# EAGLE board working (EAGLE 9.6.2), part 9 of 28
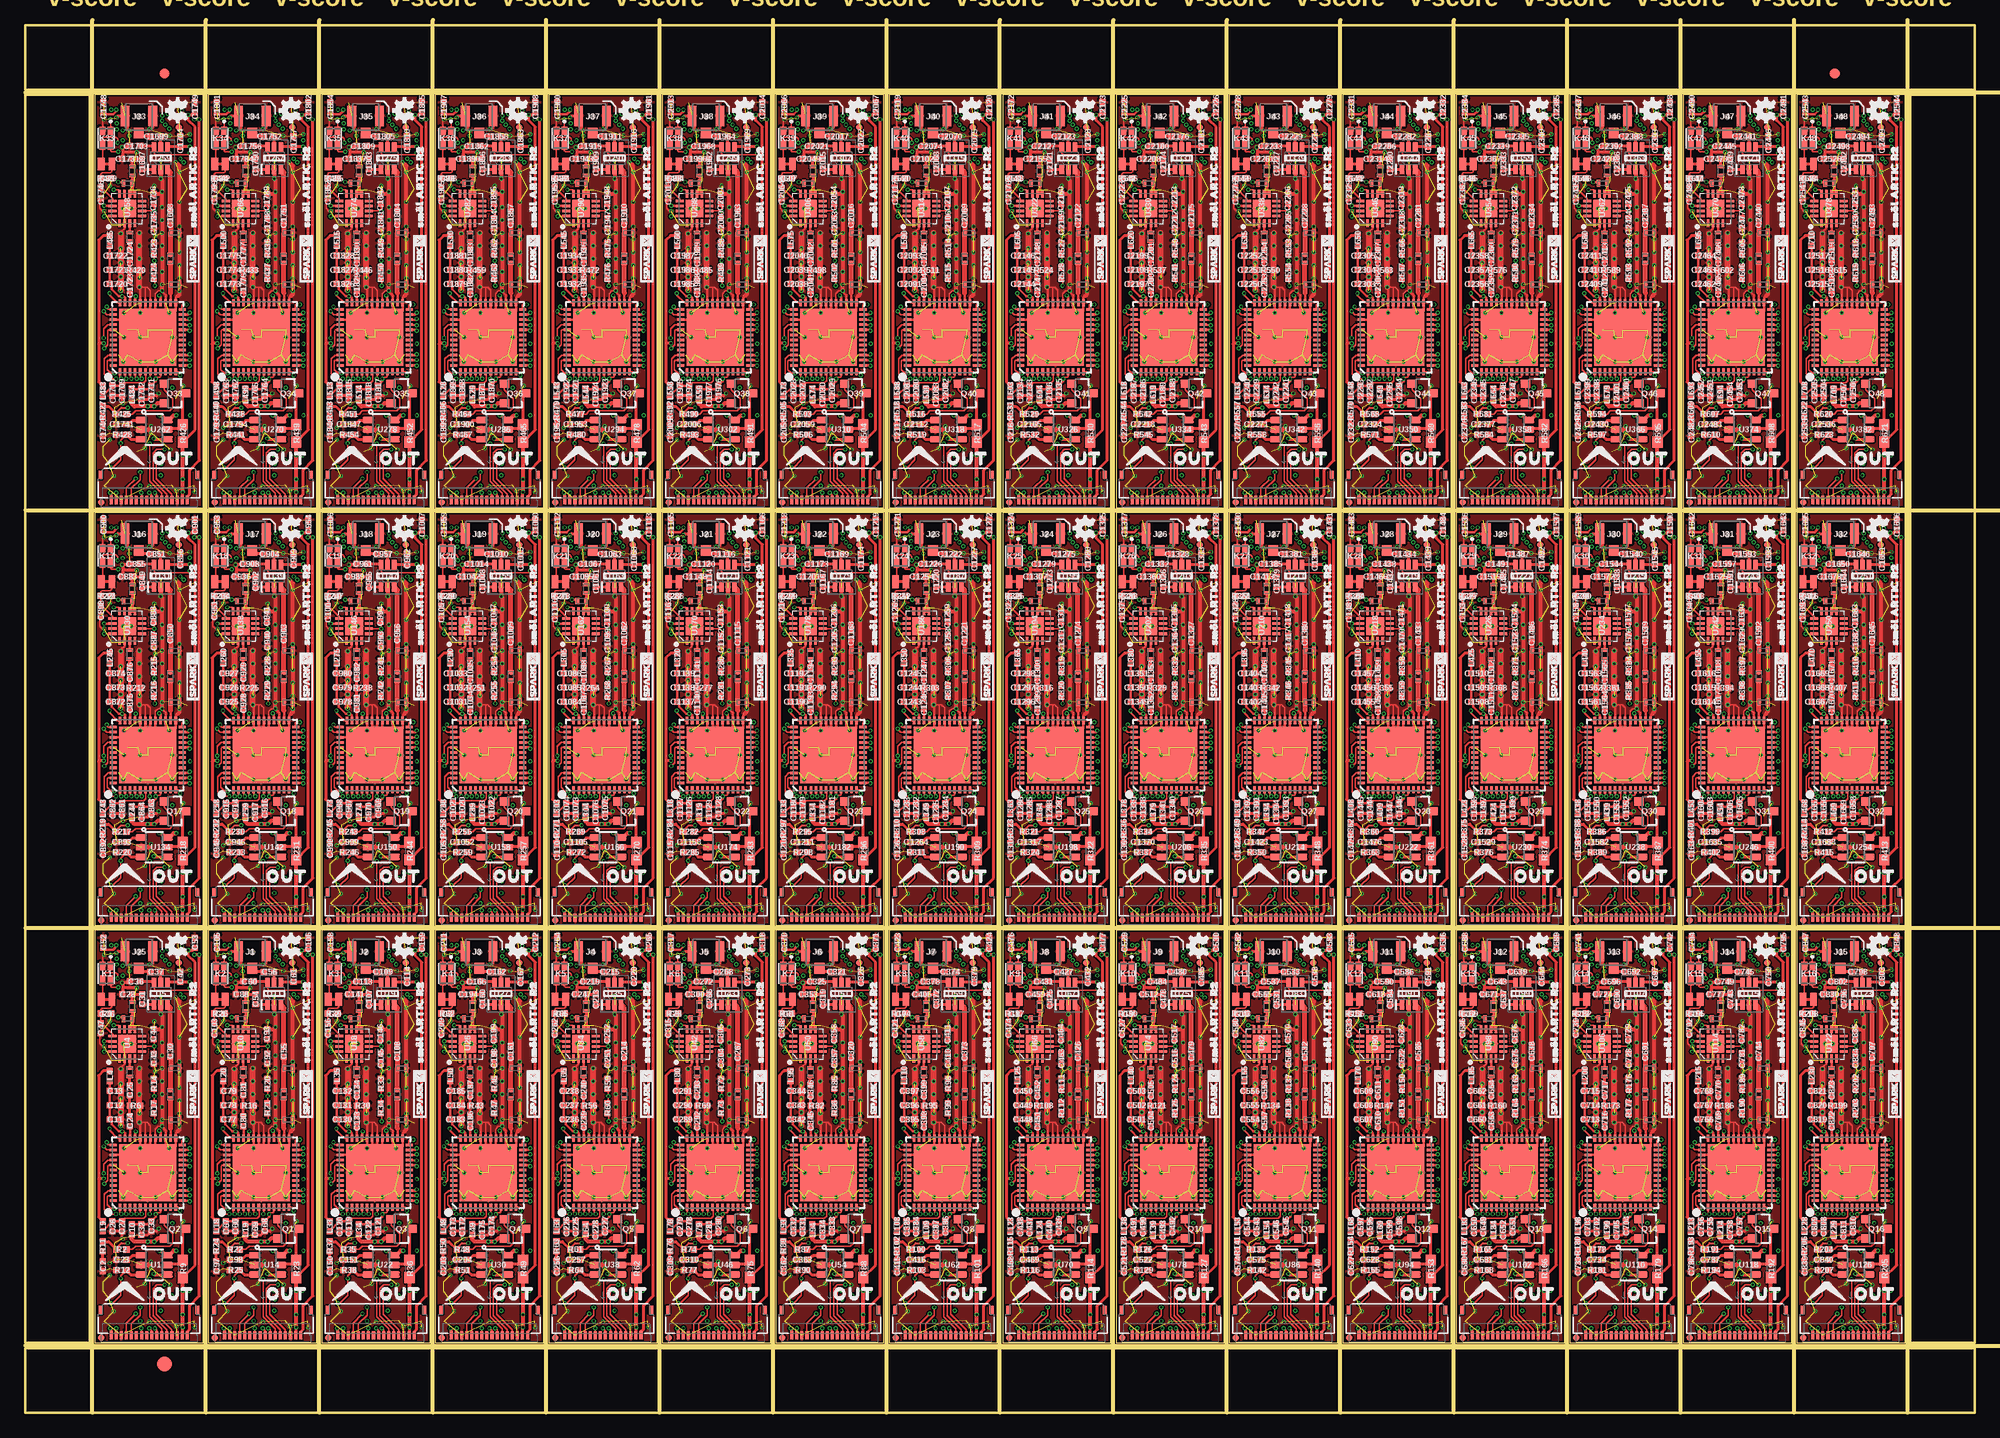
[diagram p0: board, top side]
## Nets (continued)
N$559: C1051.1 R258.2
N$560: C1052.1 U158.1
N$561: C1061.1 U163.1
N$562: C1062.1 U163.3
N$563: C1063.2 U163.5
N$564: C1069.1 C1070.1 L301.1 U161.24
N$565: C1071.1 C1072.1 L302.1 U161.23
N$566: C1073.1 C1074.1 L303.1 U161.6
N$567: C1075.1 C1076.1 L304.1 R261.1 R262.2 U161.9
N$568: C1084.1 C1085.1 C1086.1 L305.1 U161.28 U161.33 U161.35
N$569: C1077.1 C1078.1 L306.1 U161.36
N$570: R263.1 U161.41
N$571: C1079.1 C1080.1 L307.1 U161.40
N$572: C1081.1 C1082.1 U161.37 X21.4
N$573: C1083.1 X21.3
N$574: C1083.2 U161.38
N$575: C1087.1 U161.34
N$576: C1087.2 C1088.1 R264.2
N$577: L309.P$2 U162.14
N$578: C1092.1 C1093.1 L309.P$1 R266.1
N$579: C1088.2 L308.P$1
N$580: L308.P$2 U162.3
N$581: L310.P$2 L311.P$1 U162.9 U162.10
N$582: C1094.P$1 L312.P$2 U161.26
N$583: C1101.1 C1102.1 L314.1 U161.20
N$584: Q21.3 R270.1 U166.5
N$585: Q21.1 R269.1
N$586: R269.2 R271.1 U166.4
N$587: C1104.1 R271.2
N$588: C1105.1 U166.1
N$589: C1114.1 U171.1
N$590: C1115.1 U171.3
N$591: C1116.2 U171.5
N$592: C1122.1 C1123.1 L316.1 U169.24
N$593: C1124.1 C1125.1 L317.1 U169.23
N$594: C1126.1 C1127.1 L318.1 U169.6
N$595: C1128.1 C1129.1 L319.1 R274.1 R275.2 U169.9
N$596: C1137.1 C1138.1 C1139.1 L320.1 U169.28 U169.33 U169.35
N$597: C1130.1 C1131.1 L321.1 U169.36
N$598: R276.1 U169.41
N$599: C1132.1 C1133.1 L322.1 U169.40
N$600: C1134.1 C1135.1 U169.37 X22.4
N$601: C1136.1 X22.3
N$602: C1136.2 U169.38
N$603: C1140.1 U169.34
N$604: C1140.2 C1141.1 R277.2
N$605: L324.P$2 U170.14
N$606: C1145.1 C1146.1 L324.P$1 R279.1
N$607: C1141.2 L323.P$1
N$608: L323.P$2 U170.3
N$609: L325.P$2 L326.P$1 U170.9 U170.10
N$610: C1147.P$1 L327.P$2 U169.26
N$611: C1154.1 C1155.1 L329.1 U169.20
N$612: Q22.3 R283.1 U174.5
N$613: Q22.1 R282.1
N$614: R282.2 R284.1 U174.4
N$615: C1157.1 R284.2
N$616: C1158.1 U174.1
N$617: C1167.1 U179.1
N$618: C1168.1 U179.3
N$619: C1169.2 U179.5
N$620: C1175.1 C1176.1 L331.1 U177.24
N$621: C1177.1 C1178.1 L332.1 U177.23
N$622: C1179.1 C1180.1 L333.1 U177.6
N$623: C1181.1 C1182.1 L334.1 R287.1 R288.2 U177.9
N$624: C1190.1 C1191.1 C1192.1 L335.1 U177.28 U177.33 U177.35
N$625: C1183.1 C1184.1 L336.1 U177.36
N$626: R289.1 U177.41
N$627: C1185.1 C1186.1 L337.1 U177.40
N$628: C1187.1 C1188.1 U177.37 X23.4
N$629: C1189.1 X23.3
N$630: C1189.2 U177.38
N$631: C1193.1 U177.34
N$632: C1193.2 C1194.1 R290.2
N$633: L339.P$2 U178.14
N$634: C1198.1 C1199.1 L339.P$1 R292.1
N$635: C1194.2 L338.P$1
N$636: L338.P$2 U178.3
N$637: L340.P$2 L341.P$1 U178.9 U178.10
N$638: C1200.P$1 L342.P$2 U177.26
N$639: C1207.1 C1208.1 L344.1 U177.20
N$640: Q23.3 R296.1 U182.5
N$641: Q23.1 R295.1
N$642: R295.2 R297.1 U182.4
N$643: C1210.1 R297.2
N$644: C1211.1 U182.1
N$645: C1220.1 U187.1
N$646: C1221.1 U187.3
N$647: C1222.2 U187.5
N$648: C1228.1 C1229.1 L346.1 U185.24
N$649: C1230.1 C1231.1 L347.1 U185.23
N$650: C1232.1 C1233.1 L348.1 U185.6
N$651: C1234.1 C1235.1 L349.1 R300.1 R301.2 U185.9
N$652: C1243.1 C1244.1 C1245.1 L350.1 U185.28 U185.33 U185.35
N$653: C1236.1 C1237.1 L351.1 U185.36
N$654: R302.1 U185.41
N$655: C1238.1 C1239.1 L352.1 U185.40
N$656: C1240.1 C1241.1 U185.37 X24.4
N$657: C1242.1 X24.3
N$658: C1242.2 U185.38
N$659: C1246.1 U185.34
N$660: C1246.2 C1247.1 R303.2
N$661: L354.P$2 U186.14
N$662: C1251.1 C1252.1 L354.P$1 R305.1
N$663: C1247.2 L353.P$1
N$664: L353.P$2 U186.3
N$665: L355.P$2 L356.P$1 U186.9 U186.10
N$666: C1253.P$1 L357.P$2 U185.26
N$667: C1260.1 C1261.1 L359.1 U185.20
N$668: Q24.3 R309.1 U190.5
N$669: Q24.1 R308.1
N$670: R308.2 R310.1 U190.4
N$671: C1263.1 R310.2
N$672: C1264.1 U190.1
N$673: C1273.1 U195.1
N$674: C1274.1 U195.3
N$675: C1275.2 U195.5
N$676: C1281.1 C1282.1 L361.1 U193.24
N$677: C1283.1 C1284.1 L362.1 U193.23
N$678: C1285.1 C1286.1 L363.1 U193.6
N$679: C1287.1 C1288.1 L364.1 R313.1 R314.2 U193.9
N$680: C1296.1 C1297.1 C1298.1 L365.1 U193.28 U193.33 U193.35
N$681: C1289.1 C1290.1 L366.1 U193.36
N$682: R315.1 U193.41
N$683: C1291.1 C1292.1 L367.1 U193.40
N$684: C1293.1 C1294.1 U193.37 X25.4
N$685: C1295.1 X25.3
N$686: C1295.2 U193.38
N$687: C1299.1 U193.34
N$688: C1299.2 C1300.1 R316.2
N$689: L369.P$2 U194.14
N$690: C1304.1 C1305.1 L369.P$1 R318.1
N$691: C1300.2 L368.P$1
N$692: L368.P$2 U194.3
N$693: L370.P$2 L371.P$1 U194.9 U194.10
N$694: C1306.P$1 L372.P$2 U193.26
N$695: C1313.1 C1314.1 L374.1 U193.20
N$696: Q25.3 R322.1 U198.5
N$697: Q25.1 R321.1
N$698: R321.2 R323.1 U198.4
N$699: C1316.1 R323.2
N$700: C1317.1 U198.1
N$701: C1326.1 U203.1
N$702: C1327.1 U203.3
N$703: C1328.2 U203.5
N$704: C1334.1 C1335.1 L376.1 U201.24
N$705: C1336.1 C1337.1 L377.1 U201.23
N$706: C1338.1 C1339.1 L378.1 U201.6
N$707: C1340.1 C1341.1 L379.1 R326.1 R327.2 U201.9
N$708: C1349.1 C1350.1 C1351.1 L380.1 U201.28 U201.33 U201.35
N$709: C1342.1 C1343.1 L381.1 U201.36
N$710: R328.1 U201.41
N$711: C1344.1 C1345.1 L382.1 U201.40
N$712: C1346.1 C1347.1 U201.37 X26.4
N$713: C1348.1 X26.3
N$714: C1348.2 U201.38
N$715: C1352.1 U201.34
N$716: C1352.2 C1353.1 R329.2
N$717: L384.P$2 U202.14
N$718: C1357.1 C1358.1 L384.P$1 R331.1
N$719: C1353.2 L383.P$1
N$720: L383.P$2 U202.3
N$721: L385.P$2 L386.P$1 U202.9 U202.10
N$722: C1359.P$1 L387.P$2 U201.26
N$723: C1366.1 C1367.1 L389.1 U201.20
N$724: Q26.3 R335.1 U206.5
N$725: Q26.1 R334.1
N$726: R334.2 R336.1 U206.4
N$727: C1369.1 R336.2
N$728: C1370.1 U206.1
N$729: C1379.1 U211.1
N$730: C1380.1 U211.3
N$731: C1381.2 U211.5
N$732: C1387.1 C1388.1 L391.1 U209.24
N$733: C1389.1 C1390.1 L392.1 U209.23
N$734: C1391.1 C1392.1 L393.1 U209.6
N$735: C1393.1 C1394.1 L394.1 R339.1 R340.2 U209.9
N$736: C1402.1 C1403.1 C1404.1 L395.1 U209.28 U209.33 U209.35
N$737: C1395.1 C1396.1 L396.1 U209.36
N$738: R341.1 U209.41
N$739: C1397.1 C1398.1 L397.1 U209.40
N$740: C1399.1 C1400.1 U209.37 X27.4
N$741: C1401.1 X27.3
N$742: C1401.2 U209.38
N$743: C1405.1 U209.34
N$744: C1405.2 C1406.1 R342.2
N$745: L399.P$2 U210.14
N$746: C1410.1 C1411.1 L399.P$1 R344.1
N$747: C1406.2 L398.P$1
N$748: L398.P$2 U210.3
N$749: L400.P$2 L401.P$1 U210.9 U210.10
N$750: C1412.P$1 L402.P$2 U209.26
N$751: C1419.1 C1420.1 L404.1 U209.20
N$752: Q27.3 R348.1 U214.5
N$753: Q27.1 R347.1
N$754: R347.2 R349.1 U214.4
N$755: C1422.1 R349.2
N$756: C1423.1 U214.1
N$757: C1432.1 U219.1
N$758: C1433.1 U219.3
N$759: C1434.2 U219.5
N$760: C1440.1 C1441.1 L406.1 U217.24
N$761: C1442.1 C1443.1 L407.1 U217.23
N$762: C1444.1 C1445.1 L408.1 U217.6
N$763: C1446.1 C1447.1 L409.1 R352.1 R353.2 U217.9
N$764: C1455.1 C1456.1 C1457.1 L410.1 U217.28 U217.33 U217.35
N$765: C1448.1 C1449.1 L411.1 U217.36
N$766: R354.1 U217.41
N$767: C1450.1 C1451.1 L412.1 U217.40
N$768: C1452.1 C1453.1 U217.37 X28.4
N$769: C1454.1 X28.3
N$770: C1454.2 U217.38
N$771: C1458.1 U217.34
N$772: C1458.2 C1459.1 R355.2
N$773: L414.P$2 U218.14
N$774: C1463.1 C1464.1 L414.P$1 R357.1
N$775: C1459.2 L413.P$1
N$776: L413.P$2 U218.3
N$777: L415.P$2 L416.P$1 U218.9 U218.10
N$778: C1465.P$1 L417.P$2 U217.26
N$779: C1472.1 C1473.1 L419.1 U217.20
N$780: Q28.3 R361.1 U222.5
N$781: Q28.1 R360.1
N$782: R360.2 R362.1 U222.4
N$783: C1475.1 R362.2
N$784: C1476.1 U222.1
N$785: C1485.1 U227.1
N$786: C1486.1 U227.3
N$787: C1487.2 U227.5
N$788: C1493.1 C1494.1 L421.1 U225.24
N$789: C1495.1 C1496.1 L422.1 U225.23
N$790: C1497.1 C1498.1 L423.1 U225.6
N$791: C1499.1 C1500.1 L424.1 R365.1 R366.2 U225.9
N$792: C1508.1 C1509.1 C1510.1 L425.1 U225.28 U225.33 U225.35
N$793: C1501.1 C1502.1 L426.1 U225.36
N$794: R367.1 U225.41
N$795: C1503.1 C1504.1 L427.1 U225.40
N$796: C1505.1 C1506.1 U225.37 X29.4
N$797: C1507.1 X29.3
N$798: C1507.2 U225.38
N$799: C1511.1 U225.34
N$800: C1511.2 C1512.1 R368.2
N$801: L429.P$2 U226.14
N$802: C1516.1 C1517.1 L429.P$1 R370.1
N$803: C1512.2 L428.P$1
N$804: L428.P$2 U226.3
N$805: L430.P$2 L431.P$1 U226.9 U226.10
N$806: C1518.P$1 L432.P$2 U225.26
N$807: C1525.1 C1526.1 L434.1 U225.20
N$808: Q29.3 R374.1 U230.5
N$809: Q29.1 R373.1
N$810: R373.2 R375.1 U230.4
N$811: C1528.1 R375.2
N$812: C1529.1 U230.1
N$813: C1538.1 U235.1
N$814: C1539.1 U235.3
N$815: C1540.2 U235.5
N$816: C1546.1 C1547.1 L436.1 U233.24
N$817: C1548.1 C1549.1 L437.1 U233.23
N$818: C1550.1 C1551.1 L438.1 U233.6
N$819: C1552.1 C1553.1 L439.1 R378.1 R379.2 U233.9
N$820: C1561.1 C1562.1 C1563.1 L440.1 U233.28 U233.33 U233.35
N$821: C1554.1 C1555.1 L441.1 U233.36
N$822: R380.1 U233.41
N$823: C1556.1 C1557.1 L442.1 U233.40
N$824: C1558.1 C1559.1 U233.37 X30.4
N$825: C1560.1 X30.3
N$826: C1560.2 U233.38
N$827: C1564.1 U233.34
N$828: C1564.2 C1565.1 R381.2
N$829: L444.P$2 U234.14
N$830: C1569.1 C1570.1 L444.P$1 R383.1
N$831: C1565.2 L443.P$1
N$832: L443.P$2 U234.3
N$833: L445.P$2 L446.P$1 U234.9 U234.10
N$834: C1571.P$1 L447.P$2 U233.26
N$835: C1578.1 C1579.1 L449.1 U233.20
N$836: Q30.3 R387.1 U238.5
N$837: Q30.1 R386.1
N$838: R386.2 R388.1 U238.4
N$839: C1581.1 R388.2
N$840: C1582.1 U238.1
N$841: C1591.1 U243.1
N$842: C1592.1 U243.3
N$843: C1593.2 U243.5
N$844: C1599.1 C1600.1 L451.1 U241.24
N$845: C1601.1 C1602.1 L452.1 U241.23
N$846: C1603.1 C1604.1 L453.1 U241.6
N$847: C1605.1 C1606.1 L454.1 R391.1 R392.2 U241.9
N$848: C1614.1 C1615.1 C1616.1 L455.1 U241.28 U241.33 U241.35
N$849: C1607.1 C1608.1 L456.1 U241.36
N$850: R393.1 U241.41
N$851: C1609.1 C1610.1 L457.1 U241.40
N$852: C1611.1 C1612.1 U241.37 X31.4
N$853: C1613.1 X31.3
N$854: C1613.2 U241.38
N$855: C1617.1 U241.34
N$856: C1617.2 C1618.1 R394.2
N$857: L459.P$2 U242.14
N$858: C1622.1 C1623.1 L459.P$1 R396.1
N$859: C1618.2 L458.P$1
N$860: L458.P$2 U242.3
N$861: L460.P$2 L461.P$1 U242.9 U242.10
N$862: C1624.P$1 L462.P$2 U241.26
N$863: C1631.1 C1632.1 L464.1 U241.20
N$864: Q31.3 R400.1 U246.5
N$865: Q31.1 R399.1
N$866: R399.2 R401.1 U246.4
N$867: C1634.1 R401.2
N$868: C1635.1 U246.1
N$869: C1644.1 U251.1
N$870: C1645.1 U251.3
N$871: C1646.2 U251.5
N$872: C1652.1 C1653.1 L466.1 U249.24
N$873: C1654.1 C1655.1 L467.1 U249.23
N$874: C1656.1 C1657.1 L468.1 U249.6
N$875: C1658.1 C1659.1 L469.1 R404.1 R405.2 U249.9
N$876: C1667.1 C1668.1 C1669.1 L470.1 U249.28 U249.33 U249.35
N$877: C1660.1 C1661.1 L471.1 U249.36
N$878: R406.1 U249.41
N$879: C1662.1 C1663.1 L472.1 U249.40
N$880: C1664.1 C1665.1 U249.37 X32.4
N$881: C1666.1 X32.3
N$882: C1666.2 U249.38
N$883: C1670.1 U249.34
N$884: C1670.2 C1671.1 R407.2
N$885: L474.P$2 U250.14
N$886: C1675.1 C1676.1 L474.P$1 R409.1
N$887: C1671.2 L473.P$1
N$888: L473.P$2 U250.3
N$889: L475.P$2 L476.P$1 U250.9 U250.10
N$890: C1677.P$1 L477.P$2 U249.26
N$891: C1684.1 C1685.1 L479.1 U249.20
N$892: Q32.3 R413.1 U254.5
N$893: Q32.1 R412.1
N$894: R412.2 R414.1 U254.4
N$895: C1687.1 R414.2
N$896: C1688.1 U254.1
N$897: C1697.1 U259.1
N$898: C1698.1 U259.3
N$899: C1699.2 U259.5
N$900: C1705.1 C1706.1 L481.1 U257.24
N$901: C1707.1 C1708.1 L482.1 U257.23
N$902: C1709.1 C1710.1 L483.1 U257.6
N$903: C1711.1 C1712.1 L484.1 R417.1 R418.2 U257.9
N$904: C1720.1 C1721.1 C1722.1 L485.1 U257.28 U257.33 U257.35
N$905: C1713.1 C1714.1 L486.1 U257.36
N$906: R419.1 U257.41
N$907: C1715.1 C1716.1 L487.1 U257.40
N$908: C1717.1 C1718.1 U257.37 X33.4
N$909: C1719.1 X33.3
N$910: C1719.2 U257.38
N$911: C1723.1 U257.34
N$912: C1723.2 C1724.1 R420.2
N$913: L489.P$2 U258.14
N$914: C1728.1 C1729.1 L489.P$1 R422.1
N$915: C1724.2 L488.P$1
N$916: L488.P$2 U258.3
N$917: L490.P$2 L491.P$1 U258.9 U258.10
N$918: C1730.P$1 L492.P$2 U257.26
N$919: C1737.1 C1738.1 L494.1 U257.20
N$920: Q33.3 R426.1 U262.5
N$921: Q33.1 R425.1
N$922: R425.2 R427.1 U262.4
N$923: C1740.1 R427.2
N$924: C1741.1 U262.1
N$925: C1750.1 U267.1
N$926: C1751.1 U267.3
N$927: C1752.2 U267.5
N$928: C1758.1 C1759.1 L496.1 U265.24
N$929: C1760.1 C1761.1 L497.1 U265.23
N$930: C1762.1 C1763.1 L498.1 U265.6
N$931: C1764.1 C1765.1 L499.1 R430.1 R431.2 U265.9
N$932: C1773.1 C1774.1 C1775.1 L500.1 U265.28 U265.33 U265.35
N$933: C1766.1 C1767.1 L501.1 U265.36
N$934: R432.1 U265.41
N$935: C1768.1 C1769.1 L502.1 U265.40
N$936: C1770.1 C1771.1 U265.37 X34.4
N$937: C1772.1 X34.3
N$938: C1772.2 U265.38
N$939: C1776.1 U265.34
N$940: C1776.2 C1777.1 R433.2
N$941: L504.P$2 U266.14
N$942: C1781.1 C1782.1 L504.P$1 R435.1
N$943: C1777.2 L503.P$1
N$944: L503.P$2 U266.3
N$945: L505.P$2 L506.P$1 U266.9 U266.10
N$946: C1783.P$1 L507.P$2 U265.26
N$947: C1790.1 C1791.1 L509.1 U265.20
N$948: Q34.3 R439.1 U270.5
N$949: Q34.1 R438.1
N$950: R438.2 R440.1 U270.4
N$951: C1793.1 R440.2
N$952: C1794.1 U270.1
N$953: C1803.1 U275.1
N$954: C1804.1 U275.3
N$955: C1805.2 U275.5
N$956: C1811.1 C1812.1 L511.1 U273.24
N$957: C1813.1 C1814.1 L512.1 U273.23
N$958: C1815.1 C1816.1 L513.1 U273.6
N$959: C1817.1 C1818.1 L514.1 R443.1 R444.2 U273.9
N$960: C1826.1 C1827.1 C1828.1 L515.1 U273.28 U273.33 U273.35
N$961: C1819.1 C1820.1 L516.1 U273.36
N$962: R445.1 U273.41
N$963: C1821.1 C1822.1 L517.1 U273.40
N$964: C1823.1 C1824.1 U273.37 X35.4
N$965: C1825.1 X35.3
N$966: C1825.2 U273.38
N$967: C1829.1 U273.34
N$968: C1829.2 C1830.1 R446.2
N$969: L519.P$2 U274.14
N$970: C1834.1 C1835.1 L519.P$1 R448.1
N$971: C1830.2 L518.P$1
N$972: L518.P$2 U274.3
N$973: L520.P$2 L521.P$1 U274.9 U274.10
N$974: C1836.P$1 L522.P$2 U273.26
N$975: C1843.1 C1844.1 L524.1 U273.20
N$976: Q35.3 R452.1 U278.5
N$977: Q35.1 R451.1
N$978: R451.2 R453.1 U278.4
N$979: C1846.1 R453.2
N$980: C1847.1 U278.1
N$981: C1856.1 U283.1
N$982: C1857.1 U283.3
N$983: C1858.2 U283.5
N$984: C1864.1 C1865.1 L526.1 U281.24
N$985: C1866.1 C1867.1 L527.1 U281.23
N$986: C1868.1 C1869.1 L528.1 U281.6
N$987: C1870.1 C1871.1 L529.1 R456.1 R457.2 U281.9
N$988: C1879.1 C1880.1 C1881.1 L530.1 U281.28 U281.33 U281.35
N$989: C1872.1 C1873.1 L531.1 U281.36
N$990: R458.1 U281.41
N$991: C1874.1 C1875.1 L532.1 U281.40
N$992: C1876.1 C1877.1 U281.37 X36.4
N$993: C1878.1 X36.3
N$994: C1878.2 U281.38
N$995: C1882.1 U281.34
N$996: C1882.2 C1883.1 R459.2
N$997: L534.P$2 U282.14
N$998: C1887.1 C1888.1 L534.P$1 R461.1
N$999: C1883.2 L533.P$1
N$1000: L533.P$2 U282.3
N$1001: L535.P$2 L536.P$1 U282.9 U282.10
N$1002: C1889.P$1 L537.P$2 U281.26
N$1003: C1896.1 C1897.1 L539.1 U281.20
N$1004: Q36.3 R465.1 U286.5
N$1005: Q36.1 R464.1
N$1006: R464.2 R466.1 U286.4
N$1007: C1899.1 R466.2
N$1008: C1900.1 U286.1
N$1009: C1909.1 U291.1
N$1010: C1910.1 U291.3
N$1011: C1911.2 U291.5
N$1012: C1917.1 C1918.1 L541.1 U289.24
N$1013: C1919.1 C1920.1 L542.1 U289.23
N$1014: C1921.1 C1922.1 L543.1 U289.6
N$1015: C1923.1 C1924.1 L544.1 R469.1 R470.2 U289.9
N$1016: C1932.1 C1933.1 C1934.1 L545.1 U289.28 U289.33 U289.35
N$1017: C1925.1 C1926.1 L546.1 U289.36
N$1018: R471.1 U289.41
N$1019: C1927.1 C1928.1 L547.1 U289.40
N$1020: C1929.1 C1930.1 U289.37 X37.4
N$1021: C1931.1 X37.3
N$1022: C1931.2 U289.38
N$1023: C1935.1 U289.34
N$1024: C1935.2 C1936.1 R472.2
N$1025: L549.P$2 U290.14
N$1026: C1940.1 C1941.1 L549.P$1 R474.1
N$1027: C1936.2 L548.P$1
N$1028: L548.P$2 U290.3
N$1029: L550.P$2 L551.P$1 U290.9 U290.10
N$1030: C1942.P$1 L552.P$2 U289.26
N$1031: C1949.1 C1950.1 L554.1 U289.20
N$1032: Q37.3 R478.1 U294.5
N$1033: Q37.1 R477.1
N$1034: R477.2 R479.1 U294.4
N$1035: C1952.1 R479.2
N$1036: C1953.1 U294.1
N$1037: C1962.1 U299.1
N$1038: C1963.1 U299.3
N$1039: C1964.2 U299.5
N$1040: C1970.1 C1971.1 L556.1 U297.24
N$1041: C1972.1 C1973.1 L557.1 U297.23
N$1042: C1974.1 C1975.1 L558.1 U297.6
N$1043: C1976.1 C1977.1 L559.1 R482.1 R483.2 U297.9
N$1044: C1985.1 C1986.1 C1987.1 L560.1 U297.28 U297.33 U297.35
N$1045: C1978.1 C1979.1 L561.1 U297.36
N$1046: R484.1 U297.41
N$1047: C1980.1 C1981.1 L562.1 U297.40
N$1048: C1982.1 C1983.1 U297.37 X38.4
N$1049: C1984.1 X38.3
N$1050: C1984.2 U297.38
N$1051: C1988.1 U297.34
N$1052: C1988.2 C1989.1 R485.2
N$1053: L564.P$2 U298.14
N$1054: C1993.1 C1994.1 L564.P$1 R487.1
N$1055: C1989.2 L563.P$1
N$1056: L563.P$2 U298.3
N$1057: L565.P$2 L566.P$1 U298.9 U298.10
N$1058: C1995.P$1 L567.P$2 U297.26
N$1059: C2002.1 C2003.1 L569.1 U297.20
N$1060: Q38.3 R491.1 U302.5
N$1061: Q38.1 R490.1
N$1062: R490.2 R492.1 U302.4
N$1063: C2005.1 R492.2
N$1064: C2006.1 U302.1
N$1065: C2015.1 U307.1
N$1066: C2016.1 U307.3
N$1067: C2017.2 U307.5
N$1068: C2023.1 C2024.1 L571.1 U305.24
N$1069: C2025.1 C2026.1 L572.1 U305.23
N$1070: C2027.1 C2028.1 L573.1 U305.6
N$1071: C2029.1 C2030.1 L574.1 R495.1 R496.2 U305.9
N$1072: C2038.1 C2039.1 C2040.1 L575.1 U305.28 U305.33 U305.35
N$1073: C2031.1 C2032.1 L576.1 U305.36
N$1074: R497.1 U305.41
N$1075: C2033.1 C2034.1 L577.1 U305.40
N$1076: C2035.1 C2036.1 U305.37 X39.4
N$1077: C2037.1 X39.3
N$1078: C2037.2 U305.38
N$1079: C2041.1 U305.34
N$1080: C2041.2 C2042.1 R498.2
N$1081: L579.P$2 U306.14
N$1082: C2046.1 C2047.1 L579.P$1 R500.1
N$1083: C2042.2 L578.P$1
N$1084: L578.P$2 U306.3
N$1085: L580.P$2 L581.P$1 U306.9 U306.10
N$1086: C2048.P$1 L582.P$2 U305.26
N$1087: C2055.1 C2056.1 L584.1 U305.20
N$1088: Q39.3 R504.1 U310.5
N$1089: Q39.1 R503.1
N$1090: R503.2 R505.1 U310.4
N$1091: C2058.1 R505.2
N$1092: C2059.1 U310.1
N$1093: C2068.1 U315.1
N$1094: C2069.1 U315.3
N$1095: C2070.2 U315.5
N$1096: C2076.1 C2077.1 L586.1 U313.24
N$1097: C2078.1 C2079.1 L587.1 U313.23
N$1098: C2080.1 C2081.1 L588.1 U313.6
N$1099: C2082.1 C2083.1 L589.1 R508.1 R509.2 U313.9
N$1100: C2091.1 C2092.1 C2093.1 L590.1 U313.28 U313.33 U313.35
N$1101: C2084.1 C2085.1 L591.1 U313.36
N$1102: R510.1 U313.41
N$1103: C2086.1 C2087.1 L592.1 U313.40
N$1104: C2088.1 C2089.1 U313.37 X40.4
N$1105: C2090.1 X40.3
N$1106: C2090.2 U313.38
N$1107: C2094.1 U313.34
N$1108: C2094.2 C2095.1 R511.2
N$1109: L594.P$2 U314.14
N$1110: C2099.1 C2100.1 L594.P$1 R513.1
N$1111: C2095.2 L593.P$1
N$1112: L593.P$2 U314.3
N$1113: L595.P$2 L596.P$1 U314.9 U314.10
N$1114: C2101.P$1 L597.P$2 U313.26
N$1115: C2108.1 C2109.1 L599.1 U313.20
N$1116: Q40.3 R517.1 U318.5
N$1117: Q40.1 R516.1
N$1118: R516.2 R518.1 U318.4
N$1119: C2111.1 R518.2
N$1120: C2112.1 U318.1
N$1121: C2121.1 U323.1
N$1122: C2122.1 U323.3
N$1123: C2123.2 U323.5
N$1124: C2129.1 C2130.1 L601.1 U321.24
N$1125: C2131.1 C2132.1 L602.1 U321.23
N$1126: C2133.1 C2134.1 L603.1 U321.6
N$1127: C2135.1 C2136.1 L604.1 R521.1 R522.2 U321.9
N$1128: C2144.1 C2145.1 C2146.1 L605.1 U321.28 U321.33 U321.35
N$1129: C2137.1 C2138.1 L606.1 U321.36
N$1130: R523.1 U321.41
N$1131: C2139.1 C2140.1 L607.1 U321.40
N$1132: C2141.1 C2142.1 U321.37 X41.4
N$1133: C2143.1 X41.3
N$1134: C2143.2 U321.38
N$1135: C2147.1 U321.34
N$1136: C2147.2 C2148.1 R524.2
N$1137: L609.P$2 U322.14
N$1138: C2152.1 C2153.1 L609.P$1 R526.1
N$1139: C2148.2 L608.P$1
N$1140: L608.P$2 U322.3
N$1141: L610.P$2 L611.P$1 U322.9 U322.10
N$1142: C2154.P$1 L612.P$2 U321.26
N$1143: C2161.1 C2162.1 L614.1 U321.20
N$1144: Q41.3 R530.1 U326.5
N$1145: Q41.1 R529.1
N$1146: R529.2 R531.1 U326.4
N$1147: C2164.1 R531.2
N$1148: C2165.1 U326.1
N$1149: C2174.1 U331.1
N$1150: C2175.1 U331.3
N$1151: C2176.2 U331.5
N$1152: C2182.1 C2183.1 L616.1 U329.24
N$1153: C2184.1 C2185.1 L617.1 U329.23
N$1154: C2186.1 C2187.1 L618.1 U329.6
N$1155: C2188.1 C2189.1 L619.1 R534.1 R535.2 U329.9
N$1156: C2197.1 C2198.1 C2199.1 L620.1 U329.28 U329.33 U329.35
N$1157: C2190.1 C2191.1 L621.1 U329.36
N$1158: R536.1 U329.41
N$1159: C2192.1 C2193.1 L622.1 U329.40
N$1160: C2194.1 C2195.1 U329.37 X42.4
N$1161: C2196.1 X42.3
N$1162: C2196.2 U329.38
N$1163: C2200.1 U329.34
N$1164: C2200.2 C2201.1 R537.2
N$1165: L624.P$2 U330.14
N$1166: C2205.1 C2206.1 L624.P$1 R539.1
N$1167: C2201.2 L623.P$1
N$1168: L623.P$2 U330.3
N$1169: L625.P$2 L626.P$1 U330.9 U330.10
N$1170: C2207.P$1 L627.P$2 U329.26
N$1171: C2214.1 C2215.1 L629.1 U329.20
N$1172: Q42.3 R543.1 U334.5
N$1173: Q42.1 R542.1
N$1174: R542.2 R544.1 U334.4
N$1175: C2217.1 R544.2
N$1176: C2218.1 U334.1
N$1177: C2227.1 U339.1
N$1178: C2228.1 U339.3
N$1179: C2229.2 U339.5
N$1180: C2235.1 C2236.1 L631.1 U337.24
N$1181: C2237.1 C2238.1 L632.1 U337.23
N$1182: C2239.1 C2240.1 L633.1 U337.6
N$1183: C2241.1 C2242.1 L634.1 R547.1 R548.2 U337.9
N$1184: C2250.1 C2251.1 C2252.1 L635.1 U337.28 U337.33 U337.35
N$1185: C2243.1 C2244.1 L636.1 U337.36
N$1186: R549.1 U337.41
N$1187: C2245.1 C2246.1 L637.1 U337.40
N$1188: C2247.1 C2248.1 U337.37 X43.4
N$1189: C2249.1 X43.3
N$1190: C2249.2 U337.38
N$1191: C2253.1 U337.34
N$1192: C2253.2 C2254.1 R550.2
N$1193: L639.P$2 U338.14
N$1194: C2258.1 C2259.1 L639.P$1 R552.1
N$1195: C2254.2 L638.P$1
N$1196: L638.P$2 U338.3
N$1197: L640.P$2 L641.P$1 U338.9 U338.10
N$1198: C2260.P$1 L642.P$2 U337.26
N$1199: C2267.1 C2268.1 L644.1 U337.20
N$1200: Q43.3 R556.1 U342.5
N$1201: Q43.1 R555.1
N$1202: R555.2 R557.1 U342.4
N$1203: C2270.1 R557.2
N$1204: C2271.1 U342.1
N$1205: C2280.1 U347.1
N$1206: C2281.1 U347.3
N$1207: C2282.2 U347.5
N$1208: C2288.1 C2289.1 L646.1 U345.24
N$1209: C2290.1 C2291.1 L647.1 U345.23
N$1210: C2292.1 C2293.1 L648.1 U345.6
N$1211: C2294.1 C2295.1 L649.1 R560.1 R561.2 U345.9
N$1212: C2303.1 C2304.1 C2305.1 L650.1 U345.28 U345.33 U345.35
N$1213: C2296.1 C2297.1 L651.1 U345.36
N$1214: R562.1 U345.41
N$1215: C2298.1 C2299.1 L652.1 U345.40
N$1216: C2300.1 C2301.1 U345.37 X44.4
N$1217: C2302.1 X44.3
N$1218: C2302.2 U345.38
N$1219: C2306.1 U345.34
N$1220: C2306.2 C2307.1 R563.2
N$1221: L654.P$2 U346.14
N$1222: C2311.1 C2312.1 L654.P$1 R565.1
N$1223: C2307.2 L653.P$1
N$1224: L653.P$2 U346.3
N$1225: L655.P$2 L656.P$1 U346.9 U346.10
N$1226: C2313.P$1 L657.P$2 U345.26
N$1227: C2320.1 C2321.1 L659.1 U345.20
N$1228: Q44.3 R569.1 U350.5
N$1229: Q44.1 R568.1
N$1230: R568.2 R570.1 U350.4
N$1231: C2323.1 R570.2
N$1232: C2324.1 U350.1
N$1233: C2333.1 U355.1
N$1234: C2334.1 U355.3
N$1235: C2335.2 U355.5
N$1236: C2341.1 C2342.1 L661.1 U353.24
N$1237: C2343.1 C2344.1 L662.1 U353.23
N$1238: C2345.1 C2346.1 L663.1 U353.6
N$1239: C2347.1 C2348.1 L664.1 R573.1 R574.2 U353.9
N$1240: C2356.1 C2357.1 C2358.1 L665.1 U353.28 U353.33 U353.35
N$1241: C2349.1 C2350.1 L666.1 U353.36
N$1242: R575.1 U353.41
N$1243: C2351.1 C2352.1 L667.1 U353.40
N$1244: C2353.1 C2354.1 U353.37 X45.4
N$1245: C2355.1 X45.3
N$1246: C2355.2 U353.38
N$1247: C2359.1 U353.34
N$1248: C2359.2 C2360.1 R576.2
N$1249: L669.P$2 U354.14
N$1250: C2364.1 C2365.1 L669.P$1 R578.1
N$1251: C2360.2 L668.P$1
N$1252: L668.P$2 U354.3
N$1253: L670.P$2 L671.P$1 U354.9 U354.10
N$1254: C2366.P$1 L672.P$2 U353.26
N$1255: C2373.1 C2374.1 L674.1 U353.20
N$1256: Q45.3 R582.1 U358.5
N$1257: Q45.1 R581.1
N$1258: R581.2 R583.1 U358.4
N$1259: C2376.1 R583.2
N$1260: C2377.1 U358.1
N$1261: C2386.1 U363.1
N$1262: C2387.1 U363.3
N$1263: C2388.2 U363.5
N$1264: C2394.1 C2395.1 L676.1 U361.24
N$1265: C2396.1 C2397.1 L677.1 U361.23
N$1266: C2398.1 C2399.1 L678.1 U361.6
N$1267: C2400.1 C2401.1 L679.1 R586.1 R587.2 U361.9
N$1268: C2409.1 C2410.1 C2411.1 L680.1 U361.28 U361.33 U361.35
N$1269: C2402.1 C2403.1 L681.1 U361.36
N$1270: R588.1 U361.41
N$1271: C2404.1 C2405.1 L682.1 U361.40
N$1272: C2406.1 C2407.1 U361.37 X46.4
N$1273: C2408.1 X46.3
N$1274: C2408.2 U361.38
N$1275: C2412.1 U361.34
N$1276: C2412.2 C2413.1 R589.2
N$1277: L684.P$2 U362.14
N$1278: C2417.1 C2418.1 L684.P$1 R591.1
N$1279: C2413.2 L683.P$1
N$1280: L683.P$2 U362.3
N$1281: L685.P$2 L686.P$1 U362.9 U362.10
N$1282: C2419.P$1 L687.P$2 U361.26
N$1283: C2426.1 C2427.1 L689.1 U361.20
N$1284: Q46.3 R595.1 U366.5
N$1285: Q46.1 R594.1
N$1286: R594.2 R596.1 U366.4
N$1287: C2429.1 R596.2
N$1288: C2430.1 U366.1
N$1289: C2439.1 U371.1
N$1290: C2440.1 U371.3
N$1291: C2441.2 U371.5
N$1292: C2447.1 C2448.1 L691.1 U369.24
N$1293: C2449.1 C2450.1 L692.1 U369.23
N$1294: C2451.1 C2452.1 L693.1 U369.6
N$1295: C2453.1 C2454.1 L694.1 R599.1 R600.2 U369.9
N$1296: C2462.1 C2463.1 C2464.1 L695.1 U369.28 U369.33 U369.35
N$1297: C2455.1 C2456.1 L696.1 U369.36
N$1298: R601.1 U369.41
N$1299: C2457.1 C2458.1 L697.1 U369.40
N$1300: C2459.1 C2460.1 U369.37 X47.4
N$1301: C2461.1 X47.3
N$1302: C2461.2 U369.38
N$1303: C2465.1 U369.34
N$1304: C2465.2 C2466.1 R602.2
N$1305: L699.P$2 U370.14
N$1306: C2470.1 C2471.1 L699.P$1 R604.1
N$1307: C2466.2 L698.P$1
N$1308: L698.P$2 U370.3
N$1309: L700.P$2 L701.P$1 U370.9 U370.10
N$1310: C2472.P$1 L702.P$2 U369.26
N$1311: C2479.1 C2480.1 L704.1 U369.20
N$1312: Q47.3 R608.1 U374.5
N$1313: Q47.1 R607.1
N$1314: R607.2 R609.1 U374.4
N$1315: C2482.1 R609.2
N$1316: C2483.1 U374.1
N$1317: C2492.1 U379.1
N$1318: C2493.1 U379.3
N$1319: C2494.2 U379.5
N$1320: C2500.1 C2501.1 L706.1 U377.24
N$1321: C2502.1 C2503.1 L707.1 U377.23
N$1322: C2504.1 C2505.1 L708.1 U377.6
N$1323: C2506.1 C2507.1 L709.1 R612.1 R613.2 U377.9
N$1324: C2515.1 C2516.1 C2517.1 L710.1 U377.28 U377.33 U377.35
N$1325: C2508.1 C2509.1 L711.1 U377.36
N$1326: R614.1 U377.41
N$1327: C2510.1 C2511.1 L712.1 U377.40
N$1328: C2512.1 C2513.1 U377.37 X48.4
N$1329: C2514.1 X48.3
N$1330: C2514.2 U377.38
N$1331: C2518.1 U377.34
N$1332: C2518.2 C2519.1 R615.2
N$1333: L714.P$2 U378.14
N$1334: C2523.1 C2524.1 L714.P$1 R617.1
N$1335: C2519.2 L713.P$1
N$1336: L713.P$2 U378.3
N$1337: L715.P$2 L716.P$1 U378.9 U378.10
N$1338: C2525.P$1 L717.P$2 U377.26
N$1339: C2532.1 C2533.1 L719.1 U377.20
N$1340: Q48.3 R621.1 U382.5
N$1341: Q48.1 R620.1
N$1342: R620.2 R622.1 U382.4
N$1343: C2535.1 R622.2
N$1344: C2536.1 U382.1
PA_PD: R17.1 U3.7
PA_PD1: R21.1 U9.7
PA_PD2: R34.1 U17.7
PA_PD3: R47.1 U25.7
PA_PD4: R60.1 U33.7
PA_PD5: R73.1 U41.7
PA_PD6: R86.1 U49.7
PA_PD7: R99.1 U57.7